# Altium PCB MB1019.PcbDoc (part 3 of 4)
Units mil, origin at the board's own origin, x right, y up, seen from the top; angles counter-clockwise.
Board outline 4655 x 6805 mil, 4 copper layers (TopLayer, VCC, GND, BottomLayer), stack 26.137 mil thick; 557 components, 425 nets, 1918 pads, 817 vias.
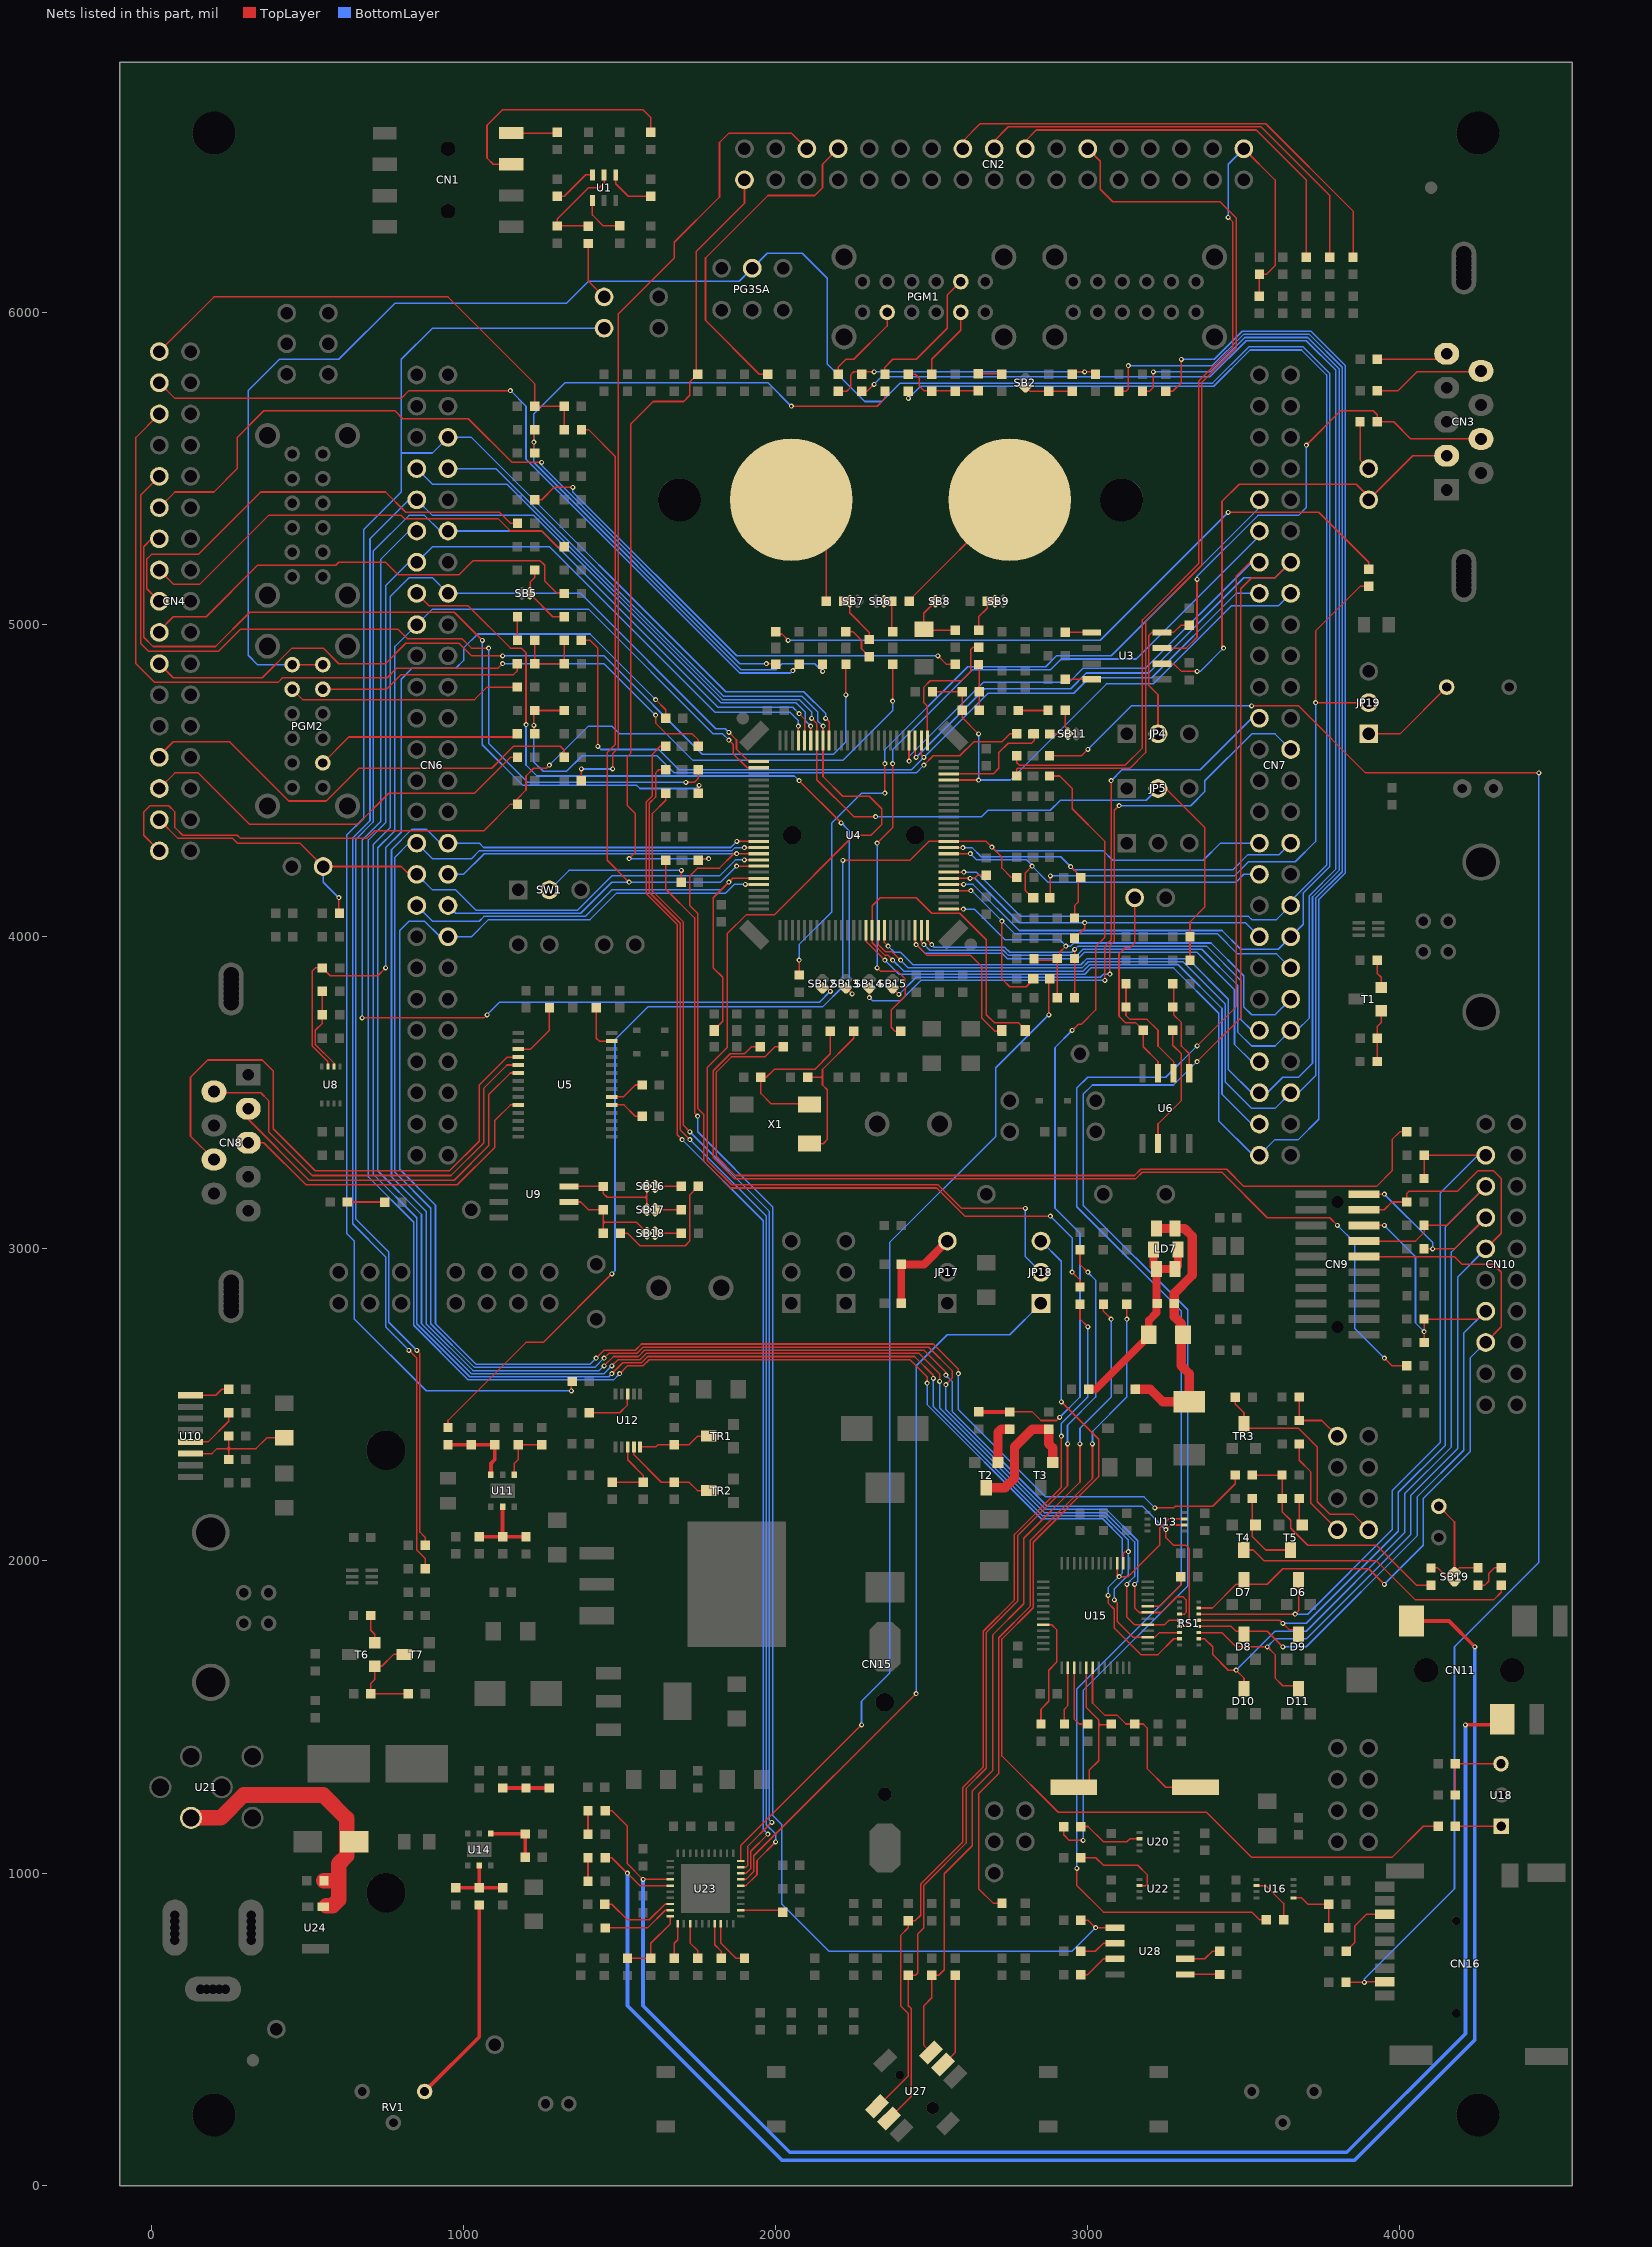
[diagram p5: the nets of this part, all layers, seen from the top]

## Via types
v1: diameter 16, hole 8, TopLayer to BottomLayer, tented both sides, 770 vias
v2: diameter 16, hole 8, TopLayer to BottomLayer, 26 vias
v3: diameter 25, hole 16, TopLayer to BottomLayer, tented both sides, 17 vias
v4: diameter 50, hole 28, TopLayer to BottomLayer, tented both sides, 4 vias

## Nets (pads, with @x,y where several pads share a name; then routed paths per layer and width w, separated by ;. In a path a pad name is that pad's centre, name@x,y a point inside that pad or via, vN(x,y) a via of type N, cw(c..) or ccw(c..) an arc to the next point about the centre after c; other vN are vias at no path point) (continued)
NetR31_1: CN2.11 R31.1 | length 2909.8
  TopLayer w5: R31.1@2772.5,4515 2772.5,4537.5 2775,4540 3135,4540 3185,4590 3185,5010 3365,5190 3365,5775.86 3475,5885.86 3475,6303.43 3423.43,6355 3080,6355 3040,6395 3040,6485 CN2.11@3000,6525
NetR33_1: C2.2 CN2.1 R33.1 R72.1 | length 3065.7
  TopLayer w5: R33.1@2772.5,4580 2772.5,4557.5 2780,4550 3120,4550 3175,4605 3175,5015 3355,5195 3355,5780 3465,5890 3465,6290 v1(3450,6305) ; CN2.1@3500,6525 3600,6425 3600,6150 3572.5,6122.5 C2.2@3550,6122.5 R72.1@3550,6052.5
  BottomLayer w5: v1(3450,6305) 3450,6475 CN2.1@3500,6525
NetR35_2: C134.1 R35.2 R128.1 R138.2 | length 1940.7
  TopLayer w5: R128.1@1225,4652.5 R138.2@1225,4722.5 ; R138.2@1227.5,4722.5 1227.5,4725 C134.1@1322.5,4725 ; v1(2475,4550) 2505,4580 2590,4580 2635,4625 2725,4625 2750,4650 R35.2@2773,4650
  BottomLayer w5: v1(1225,4677.5) 1225,4560 1255,4530 1330,4530 1380,4580 1620,4580 1675,4525 2450,4525 v1(2475,4550)
NetR36_2: R36.2 R137.1 SB11.2 | length 127.6
  TopLayer w5: R36.2@2877.5,4650 2925,4650 SB11.2@2932,4643 ; R137.1@2927.5,4725 2927.5,4672.5 SB11.2@2940,4660
NetR37_2: C21.1 R37.2 R131.1 | length 148.5
  TopLayer w5: R37.2@2650,4872.5 2652.5,4870 R131.1@2652.5,4725
NetR38_2: R38.2 R103.1 SB9.2 | length 103.9
  TopLayer w5: R38.2@2650,4982.5 2650,5025 2677.5,5052.5 R103.1@2677.5,5075
NetR39_1: R39.1 R96.1 | length 1607.9
  TopLayer w5: R96.1@1227.5,5400 1250,5400 1290,5440 v1(1350,5440) ; v1(2520,4900) 2547.5,4872.5 R39.1@2575,4872.5
  BottomLayer w5: v1(1350,5440) 1350,5425 1875,4900 v1(2520,4900)
NetR40_1: C52.2 R40.1 SB8.2 | length 246.1
  TopLayer w5: C52.2@2475,4985 2475,5036 SB8.2@2507,5068 ; 2475,5038 SB8.2@2512,5075 ; C52.2@2477.5,4982.5 R40.1@2575,4982.5
NetR41_1: C27.2 CN4.33 R41.1 | length 3076.8
  TopLayer w5: CN4.33@20,4280 CN4.33@25,4280 ; CN4.33@25,4275 -25,4325 -25,4400 -5,4420 55,4420 75,4400 75,4350 100,4325 275,4325 285,4315 690,4315 715,4340 1065,4340 1150,4425 C27.2@1172.5,4425 1172.5,4442.5 1200,4470 1200,4515 1225,4540 1265,4540 v1(1275,4550) ; v1(2375,4755) R41.1@2375,4872.5
  BottomLayer w5: v1(1275,4550) 1400,4675 1475,4675 1500,4650 1650,4650 1735,4565 2215,4565 2375,4725 v1(2375,4755)
NetR42_1: R42.1 R104.1 SB6.2 | length 119.5
  TopLayer w5: SB6.2@2348,5075 2372.5,5075 R42.1@2372.5,4980
NetR43_1: CN4.21 R43.1 | length 2716.7
  TopLayer w5: CN4.21@25,4875 70,4830 355,4830 450,4925 550,4925 600,4875 750,4875 815,4940 985,4940 1025,4900 v1(1125,4900) ; v1(2225,4775) R43.1@2225,4872.5
  BottomLayer w5: v1(1125,4900) 1450,4900 1765,4585 2185,4585 2225,4625 v1(2225,4775)
NetR44_1: R44.1 R122.2 | length 124.2
  TopLayer w5: R44.1@2225,4977.5 2247.5,4977.5 2275,4950 2275,4922.5 R122.2@2300,4897.5
NetR45_1: C133.1 R45.1 R90.2 R94.1 | length 2699.4
  TopLayer w5: C133.1@1225,5552.5 R90.2@1225,5622.5 ; R90.2@1227.5,5622.5 R90.2@1227.5,5625 ; v1(2050,5700) 2325,5700 2350,5725 R94.1@2350,5747.5 ; v1(2150,4850) R45.1@2150,4872.5
  BottomLayer w5: v1(2050,5700) 1975,5775 1325,5775 1225,5675 1225,5520 1890,4855 2000,4855 2020,4875 2125,4875 v1(2150,4850)
  other v1: 1225,5585
NetR47_1: CN4.3 R47.1 | length 2569.4
  TopLayer w5: CN4.3@25,5775 75,5725 800,5725 825,5750 v1(1150,5750) ; v1(2055,4852.5) 2075,4872.5 R47.1@2077.5,4872.5
  BottomLayer w5: v1(1150,5750) 1200,5700 1200,5530 1885,4845 2047.5,4845 v1(2055,4852.5)
NetR49_1: CN4.11 R49.1 | length 2510.9
  TopLayer w5: CN4.11@25,5375 75,5425 200,5425 275,5500 275,5600 360,5685 780,5685 805,5660 1015,5660 1155,5520 v1(1250,5520) ; v1(1970,4875) R49.1@1997.5,4875
  BottomLayer w5: CN4.11@25,5375 CN4.11@35,5375 ; v1(1250,5520) 1250,5510 1885,4875 v1(1970,4875)
NetR51_1: CN4.5 R51.1 | length 2819.4
  TopLayer w5: CN4.5@25,5675 -50,5600 -50,4875 10,4815 405,4815 420,4830 755,4830 785,4860 1110,4860 v1(1125,4875) ; v1(1615,4710) 1615,4685 1650,4650 1732.5,4650 1752.5,4630 R51.1@1752.5,4610
  BottomLayer w5: v1(1125,4875) 1450,4875 v1(1615,4710)
NetR53_1: CN4.9 R53.1 | length 2801
  TopLayer w5: CN4.9@25,5475 -35,5415 -35,4940 -10,4915 215,4915 285,4985 790,4985 820,4955 995,4955 1025,4925 v1(1080,4925) ; v1(1712.5,4495) 1740,4495 1752.5,4507.5 R53.1@1752.5,4535
  BottomLayer w5: v1(1080,4925) 1080,4620 1205,4495 v1(1712.5,4495)
NetR55_1: CN4.13 R55.1 | length 2648.8
  TopLayer w5: CN4.13@25,5275 0,5275 -25,5250 -25,4960 5,4930 205,4930 315,5040 970,5040 v1(1060,4950) ; R55.1@1752.5,4460 1752.5,4482.5 v1(1755,4485)
  BottomLayer w5: v1(1060,4950) 1060,4615 1190,4485 1555,4485 1565,4475 1745,4475 v1(1755,4485)
NetR57_1: C13.2 CN2.34 R57.1 | length 2693.6
  TopLayer w5: v1(1530,4250) 1550,4270 1550,4395 1525,4420 1525,4577.57 1536,4588.57 1536,5643.57 1607.43,5715 1705,5715 1725,5735 1725,5777.5 1745,5797.5 1745,6195 1900,6350 CN2.34@1900,6425 ; R57.1@1752.5,4250 v1(1785,4250)
  BottomLayer w5: v1(1530,4250) v1(1785,4250)
NetR59_2: CN1.1 R59.2 | length 150
  TopLayer w5: CN1.1@1152.5,6575 R59.2@1302.5,6575
NetR62_2: CN1.3 R62.2 | length 794.4
  TopLayer w5: CN1.3@1152.5,6475 1095,6475 1075,6495 1075,6600 1125,6650 1575,6650 1600,6625 R62.2@1600,6577.5
NetR63_2: R63.2 U1.6 | length 141.1
  TopLayer w5: R63.2@1300,6372.5 1322.5,6372.5 1391.34,6441.34 U1.6@1412.6,6441.34
NetR64_2: R64.2 U1.4 | length 157.9
  TopLayer w5: U1.4@1487.4,6441.34 1487.4,6412.6 1527.5,6372.5 R64.2@1600,6372.5
NetR66_1: R65.1 R66.1 U1.5 | length 345.9
  TopLayer w5: R66.1@1399,6276.5 1398,6277.5 1300,6277.5 1300,6300 1400,6400 1435,6400 1450,6415 U1.5@1450,6441.34
NetR66_2: JP1.2 R66.2 | length 192.6
  TopLayer w5: R66.2@1399,6221.5 1399,6101 JP1.2@1450,6050
NetR68_1: CN2.15 R68.1 | length 1253.3
  TopLayer w5: CN2.15@2800,6525 2800,6550 2835,6585 3540,6585 3700,6425 R68.1@3700,6177.5
NetR69_1: CN2.17 R69.1 | length 1407.3
  TopLayer w5: CN2.17@2700,6525 2700,6550 2745,6595 3555,6595 3775,6375 R69.1@3775,6177.5
NetR70_1: CN2.19 R70.1 | length 1561.3
  TopLayer w5: CN2.19@2600,6525 2600,6550 2655,6605 3570,6605 3850,6325 R70.1@3850,6177.5
NetR73_2: CN3.5 R73.2 | length 222.5
  TopLayer w5: R73.2@3927.5,5850 CN3.5@4150,5850
NetR79_1: C9.2 CN4.1 R78.1 R79.1 | length 1632.4
  TopLayer w5: CN4.1@25,5875 200,6050 950,6050 1227.5,5772.5 1227.5,5700 C9.2@1322.5,5700 R79.1@1322.5,5625
NetR81_1: CN2.27 R81.1 | length 1085.4
  TopLayer w5: R81.1@1975,5802.5 1947.5,5802.5 1775,5975 1775,6175 1975,6375 2125,6375 2150,6400 2150,6475 CN2.27@2200,6525
NetR83_2: C132.1 R75.2 R83.2 R95.1 | length 263.4
  TopLayer w5: R75.2@2425,5802.5 2447.5,5802.5 2460,5790 2460,5765 2475.5,5749.5 2649,5749.5 R83.2@2647,5747.5
NetR86_2: CN3.9 R86.2 | length 354.4
  TopLayer w5: R86.2@3927.5,5750 3995,5750 4055,5810 CN3.9@4257,5810
NetR87_2: JP3.1 R87.2 | length 161.4
  TopLayer w5: R87.2@3872.5,5650 3872.5,5527.5 JP3.1@3900,5500
NetR93_2: PGM1.2 R93.2 | length 277.9
  TopLayer w5: R93.2@2200,5802.5 2200,5825 2225,5850 2250,5850 2356.89,5956.89 PGM1.2@2356.89,6000.79
NetR94_2: PGM1.8 R94.2 | length 441.3
  TopLayer w5: R94.2@2350,5802.5 2350,5825 2375,5850 2450,5850 2550,5950 2550,6056.1 PGM1.8@2593.11,6099.21
NetR95_2: PGM1.5 R95.2 | length 239.4
  TopLayer w5: R95.2@2497.5,5802.5 2500,5802.5 2500,5850 2593.11,5943.11 PGM1.5@2593.11,6000.79
NetR97_1: CN4.17 R97.1 | length 1469.5
  TopLayer w5: CN4.17@25,5075 -15,5115 -15,5210 0,5225 150,5225 350,5425 750,5425 815,5360 1115,5360 1150,5325 R97.1@1172.5,5325
NetR98_2: C131.1 R74.2 R93.1 R98.2 | length 924.3
  TopLayer w5: R93.1@2200,5747.5 2227.5,5747.5 2240,5760 2240,5800 2250,5810 v1(2315,5810) ; R98.2@2945,5810 C131.1@3030,5810
  BottomLayer w5: v1(2315,5810) v1(2990,5810)
NetR99_1: CN4.15 R99.1 | length 1448.7
  TopLayer w5: CN4.15@25,5175 70,5130 155,5130 375,5350 800,5350 810,5340 1110,5340 1150,5300 1250,5300 1300,5250 R99.1@1322.5,5250
NetR101_1: CN4.19 R101.1 | length 1496.6
  TopLayer w5: CN4.19@25,4980 70,5025 175,5025 340,5190 590,5190 600,5200 750,5200 790,5160 985,5160 1030,5205 1245,5205 1260,5190 1260,5140 1300,5100 R101.1@1322.5,5100
NetR102_2: R102.2 TS1.1 | length 371.6
  TopLayer w5: TS1.1@2050,5400 2162.5,5287.5 R102.2@2162.5,5075
NetR104_2: R104.2 TS2.1 | length 458.6
  TopLayer w5: R104.2@2427.5,5075 2427.5,5077.5 TS2.1@2750,5400
NetR105_1: R105.1 U3.1 | length 85
  TopLayer w5: R105.1@2927.5,4975 U3.1@3012.5,4975
NetR106_1: JP4.2 R106.1 U3.8 | length 470.9
  TopLayer w5: JP4.2@3225,4650 3225,4775 3195,4805 3195,4965 3205,4975 3275,4975 3297.5,4997.5 R106.1@3325,4997.5
NetR107_2: C135.1 R107.2 R109.1 R110.2 | length 245
  TopLayer w5: R107.2@1227.5,4950 1227.5,4875 1322.5,4875 R110.2@1322.5,4950
NetR109_2: PGM2.5 R109.2 | length 670.4
  TopLayer w5: PGM2.5@549.21,4793.11 753.11,4793.11 800,4840 1160,4840 1172.5,4852.5 R109.2@1172.5,4875
NetR111_1: R111.1 R313.2 | length 2163.9
  TopLayer w5: R313.2@2725,902.5 2697.5,902.5 2650,950 2650,1254.29 2715,1319.29 2715,1754.14 2815,1854.14 2815,2064.29 3015,2264.29 v1(3015,2375) ; v1(3125,2775) R111.1@3125,2822.5
  BottomLayer w5: v1(3015,2375) 3015,2415 3125,2525 v1(3125,2775)
NetR113_1: R98.1 R113.1 SB2.2 | length 156
  TopLayer w5: SB2.2@2800,5762 2814.5,5747.5 R98.1@2950,5747.5
NetR116_1: R83.1 R116.1 | length 76.8
  TopLayer w5: R83.1@2649,5804.5 2723,5804.5 R116.1@2725,5802.5
NetR120_2: PGM2.8 R120.2 | length 752
  TopLayer w5: PGM2.8@450.79,4793.11 483.9,4760 1035,4760 1075,4800 R120.2@1172.5,4800
NetR122_1: R102.1 R122.1 SB7.2 | length 148.6
  TopLayer w5: SB7.2@2237,5075 2237,5038 2300,4975 R122.1@2300,4952.5
NetR124_2: R124.2 U3.4 | length 85
  TopLayer w5: R124.2@2927.5,4825 U3.4@3012.5,4825
NetR128_2: PGM2.2 R128.2 | length 655.2
  TopLayer w5: PGM2.2@549.21,4556.89 632.32,4640 R128.2@1170,4640
NetR129_1: R129.1 R186.1 U8.3 | length 2591.6
  TopLayer w5: U8.3@565.16,3584.06 565.16,3599.84 515,3650 515,3890 525,3900 547.5,3900 572.5,3875 725,3875 v1(750,3900) ; v1(1615,4760) 1647.62,4727.38 R129.1@1647.62,4699.84 ; R129.1@1647.5,4700 R129.1@1647.62,4700.12
  BottomLayer w5: v1(750,3900) 750,4285 800,4335 800,4825 835,4860 975,4860 1000,4885 1000,4925 1045,4970 1405,4970 v1(1615,4760)
NetR132_1: R107.1 R132.1 | length 75
  TopLayer w5: R107.1@1172.5,4950 R132.1@1172.5,5025
NetR134_1: R108.1 R134.1 SB5.2 | length 213.7
  TopLayer w5: SB5.2@1213,5100 1213,5135.5 1227.5,5150 R134.1@1227.5,5175 ; SB5.2@1218,5093 1286,5025 R108.1@1322.5,5025
NetR137_2: C24.2 R137.2 | length 95
  TopLayer w5: C24.2@2777.5,4725 R137.2@2872.5,4725
NetR139_1: R139.1 R140.1 U16.5 | length 196.9
  TopLayer w5: U16.5@3659.06,920.47 3685,920.47 3705.47,900 R140.1@3772.5,900 R139.1@3772.5,825
NetR145_1: CN4.29 R145.1 | length 1322.1
  TopLayer w5: CN4.29@27.5,4477.5 75,4525 150,4525 315,4360 660,4360 760,4460 1035,4460 1150,4575 R145.1@1172.5,4575
NetR147_1: CN4.27 R147.1 | length 1495
  TopLayer w5: CN4.27@25,4580 70,4625 250,4625 440,4435 560,4435 665,4540 1090,4540 1160,4610 1310,4610 1322.5,4597.5 R147.1@1322.5,4575
NetR148_1: CN2.29 R148.1 | length 2600
  TopLayer w5: R148.1@1377.5,4500 v1(1377.5,4537.5) ; v1(1477.5,4537.5) 1477.5,4587.5 1496,4606 1496,5996 1675,6175 1675,6225 1820,6370 1820,6545 1850,6575 2050,6575 CN2.29@2100,6525
  BottomLayer w5: v1(1377.5,4537.5) v1(1477.5,4537.5)
NetR159_1: JP19.2 R20.2 R159.1 | length 2042.1
  TopLayer w5: R20.2@2880,4127.5 v1(2880,4195) ; R159.1@3900,5122.5 3872.5,5122.5 3730,4980 v1(3730,4750) JP19.2@3905,4750
  BottomLayer w5: v1(2880,4195) 3470,4195 3515,4240 3665,4240 3730,4305 v1(3730,4750)
NetR159_2: R50.1 R159.2 | length 2166.9
  TopLayer w5: R50.1@2000,4970 2020,4970 v1(2040,4950) ; v1(3450,5360) 3740,5360 3900,5200 R159.2@3900,5177.5
  BottomLayer w5: v1(2040,4950) 3040,4950 v1(3450,5360)
NetR166_2: R166.2 SW1.2 | length 485.9
  TopLayer w5: R166.2@1697.5,4175 v1(1697.5,4212.5)
  BottomLayer w5: SW1.2@1275,4150 1337.5,4212.5 v1(1697.5,4212.5)
NetR177_1: R177.1 R189.1 U8.2 | length 275.1
  TopLayer w5: R177.1@547.5,3825 547.5,3722.5 525,3700 525,3655 584.84,3595.16 U8.2@584.84,3584.06
NetR185_1: R185.1 T1.1 | length 92.7
  TopLayer w5: R185.1@3927.5,3925 3927.5,3882.5 3940,3870 T1.1@3940,3837.5
NetR187_2: CN7.9 R187.2 | length 2426.4
  TopLayer w5: R187.2@2075,3877.5 v1(2075,3925) ; v1(2350,4460) v1(2350,4555)
  BottomLayer w5: v1(2075,3925) 2075,3975 2180,4080 2180,4365 2275,4460 v1(2350,4460) ; v1(2350,4555) 2350,4600 2615,4865 2865,4865 2900,4900 3075,4900 3550,5375 CN7.9@3550,5400
NetR196_1: C45.1 R196.1 X1.1 | length 554.5
  TopLayer w5: X1.1@2115,3465 1985,3465 1952.5,3497.5 C45.1@1952.5,3550 1970,3550 1995,3575 2125,3575 2175,3625 R196.1@2175,3697.5
NetR197_1: C50.1 R197.1 X1.4 | length 518.9
  TopLayer w5: C50.1@2102.5,3550 2150,3550 ; X1.4@2108.27,3337.01 2152.01,3337.01 2165,3350 2165,3510 2150,3525 2150,3575 2250,3675 R197.1@2250,3697.5 ; 2150,3545 2145,3550 2150,3555
NetR201_2: R201.2 U6.2 | length 405
  TopLayer w5: U6.2@3225,3337.5 3225,3400 3300,3475 3300,3625 3272.5,3652.5 R201.2@3272.5,3700
NetR202_2: R202.2 U5.20 | length 113.8
  TopLayer w5: U5.20@1474.61,3486.61 1511.61,3486.61 1550,3525 R202.2@1572.5,3525
NetR206_1: CN7.11 R206.1 | length 2507.8
  TopLayer w5: v1(2325,3900) 2335,3890 2390,3890 2415,3865 2415,3810 2370,3765 2370,3710 2382.5,3697.5 R206.1@2400,3697.5 ; v1(2325,4300) 2375,4350 v1(2375,4555)
  BottomLayer w5: v1(2325,3900) v1(2325,4300) ; v1(2375,4555) 2375,4600 2630,4855 2880,4855 2915,4890 3155,4890 3550,5285 CN7.11@3550,5300
NetR213_2: R213.2 R214.1 T1.2 | length 167.7
  TopLayer w5: R214.1@3927.5,3600 3927.5,3712.5 3940,3725 T1.2@3940,3762.5
NetR215_2: R215.2 U5.19 | length 112.8
  TopLayer w5: U5.19@1474.61,3461.02 1513.98,3461.02 1550,3425 R215.2@1572.5,3425
NetR216_2: R6.1 R216.2 | length 2917.7
  TopLayer w5: R6.1@2024,3647.5 1997.5,3647.5 1965,3615 1858.28,3615 1810,3566.72 1810,3296.57 1871.57,3235 3150,3235 3170,3255 3445,3255 3500,3200 3925,3200 3975,3250 3975,3350 4000,3375 R216.2@4022.5,3375
NetR219_1: C54.2 R219.1 SB18.2 U9.6 | length 355.6
  TopLayer w5: U9.6@1337.5,3150 1375,3150 1400,3125 1447.5,3125 C54.2@1447.5,3050 ; 1447.5,3080 1452.5,3085 1447.5,3090 ; 1447.5,3085 1554,3085 SB18.2@1582,3057
NetR220_1: R220.1 SB16.2 SB17.2 U9.7 | length 359.3
  TopLayer w5: U9.7@1337.5,3200 1447.5,3200 1447.5,3177.5 1460,3165 1587,3165 ; SB17.2@1587,3132 SB16.2@1587,3200 ; 1587,3160 1582,3165 1587,3170
NetR221_1: C54.1 R221.1 | length 431.7
  TopLayer w5: C54.1@1502.5,3050 1525,3050 1565,3010 1710,3010 1725,3025 1725,3172.5 R221.1@1752.5,3200
NetR221_2: R221.2 SB16.1 | length 82.8
  TopLayer w5: SB16.1@1618,3192 1626,3200 R221.2@1697.5,3200
NetR222_1: JP17.3 R222.1 R231.1 | length 303.6
  TopLayer w25: R231.1@2402.5,2825 2402.5,2950 2475,2950 JP17.3@2550,3025
NetR225_1: LD5.1 R225.1 | length 120
  TopLayer w5: LD5.1@627.5,3150 R225.1@747.5,3150
NetR226_1: R226.1 SB17.1 | length 77.5
  TopLayer w5: SB17.1@1620,3125 R226.1@1697.5,3125
NetR230_1: R230.1 SB18.1 | length 72.5
  TopLayer w5: SB18.1@1625,3050 R230.1@1697.5,3050
NetR238_2: C55.2 C56.1 LD7.1 LD7.2 LD7.3 LD7.4 R238.2 | length 681
  TopLayer w5: C56.1@3195,2720 C56.1@3195,2725
  TopLayer w25: R238.2@3002.5,2550 3025,2550 C56.1@3195,2720 ; C56.1@3195,2725 3195,2770 3220,2795 LD7.1@3220,2934.57 ; LD7.3@3210.63,2998.03 3210.63,2944.88 LD7.1@3220.47,2935.04 LD7.2@3279.53,2935.04 3289.37,2944.88 LD7.4@3289.37,2998.03
NetR242_2: R4.1 R242.2 | length 3136.8
  TopLayer w5: R4.1@1950,3647.5 1922.5,3647.5 1900,3625 1854.14,3625 1800,3570.86 1800,3292.43 1867.43,3225 3154.14,3225 3174.14,3245 3430,3245 3575,3100 3775,3100 v1(3800,3075) ; v1(3950,2650) 3975,2625 R242.2@4022.5,2625
  BottomLayer w5: v1(3800,3075) 3855,3020 3855,2745 v1(3950,2650)
NetR243_2: R243.2 U10.1 | length 130.4
  TopLayer w5: U10.1@125,2530.91 205.91,2530.91 225,2550 R243.2@247.5,2550
NetR246_1: C71.1 R246.1 U11.1 | length 176.5
  TopLayer w5: U11.1@1162.4,2276.18 1162.4,2312.4 1175,2325 C71.1@1175,2372.5 R246.1@1250,2372.5
NetR247_1: R247.1 U12.3 | length 168
  TopLayer w5: R247.1@1402.5,2475 1500,2475 1525,2500 1525,2533.69 U12.3@1526,2534.69
NetR248_2: C55.1 C56.2 LD7.5 LD7.6 R248.2 R261.2 | length 887.4
  TopLayer w30: R248.2@3152.5,2550 3200,2550 3240,2510 R261.2@3325,2510 3325,2600 3300,2625 3300,2760 3277.5,2782.5 3277.5,2857.5 3335,2915 3335,3040 3310.04,3064.96 LD7.5@3220.47,3064.96
NetR249_1: CN15.8 R249.1 TR3.3 | length 733.7
  TopLayer w5: R249.1@3472.5,2525 3472.5,2502.5 3500.5,2474.5 TR3.3@3500.5,2440 ; TR3.3@3500,2425 3675,2425 3735,2365 3735,2190 3775,2150 3850,2150 CN15.8@3900,2100
NetR250_2: CN15.1 R240.1 R250.2 | length 218.2
  TopLayer w5: R240.1@3677.5,2525 3677.5,2450 3750,2450 CN15.1@3800,2400
NetR252_2: C61.1 C62.1 R252.2 U10.6 | length 424.5
  TopLayer w5: U10.6@125,2343.9 193.9,2343.9 210,2360 335,2360 370,2395 C62.1@425,2395 ; C61.1@247.5,2325 R252.2@247.5,2400 ; 242.5,2360 247.5,2365 252.5,2360 247.5,2355 242.5,2360
NetR254_2: C58.1 R245.2 R254.2 U11.3 | length 251.5
  TopLayer w12: R245.2@950,2372.5 C58.1@1100,2372.5 1100,2325 1087.6,2312.6 U11.3@1087.6,2276.18
NetR257_1: R32.1 R256.2 R257.1 | length 2555.3
  TopLayer w5: R257.1@2750,2477.5 2822.5,2477.5 2850,2450 2900,2450 v1(2910,2460) ; R32.1@2877.5,4515 2910,4515 2950,4475 2950,4410 3055,4305 3055,3998.43 3025,3968.43 3025,3765 2980,3720 2970,3720 v1(2950,3700)
  TopLayer w12: R256.2@2650,2477.5 R257.1@2750,2477.5
  BottomLayer w5: v1(2910,2460) 2975,2525 2975,3050 2895,3130 2895,3645 v1(2950,3700)
NetR257_2: R257.2 T2.2 | length 139.1
  TopLayer w30: T2.2@2712.5,2315 2712.5,2412.5 2722.5,2422.5 R257.2@2750,2422.5
NetR258_2: R258.2 T2.3 T3.2 | length 449.4
  TopLayer w30: T2.3@2674.5,2235 2735,2235 2765,2265 2765,2365 2822.5,2422.5 2875,2422.5 2875,2375 2887.5,2362.5 T3.2@2887.5,2315
NetR262_1: R262.1 R264.2 R275.1 R280.2 | length 802
  TopLayer w5: R262.1@3527.5,2275 3622.5,2275 3622.5,2157.5 3650,2130 3650,2105 3705,2050 3925,2050 4052.5,1922.5 R280.2@4100,1922.5
NetR263_2: CN15.7 R263.2 | length 325.7
  TopLayer w5: R263.2@3677.5,2375 3677.5,2322.5 3715,2285 3715,2185 CN15.7@3800,2100
NetR267_1: C70.1 R267.1 R278.2 U11.5 | length 246.3
  TopLayer w12: R278.2@1050,2077.5 R267.1@1200,2077.5 ; C70.1@1125,2077.5 U11.5@1125,2173.82
NetR275_2: R275.2 T5.2 | length 87.5
  TopLayer w5: T5.2@3677.5,2112.5 R275.2@3677.5,2200
NetR277_1: C73.1 R277.1 U14.1 | length 185.6
  TopLayer w12: U14.1@1087.4,1126.18 1196.32,1126.18 1197.5,1125 C73.1@1197.5,1050
NetR280_1: R280.1 SB19.1 | length 85.8
  TopLayer w5: R280.1@4100,1977.5 4121.5,1977.5 SB19.1@4167,1932
NetR281_2: LD9.2 R281.2 SB19.2 | length 305.2
  TopLayer w5: LD9.2@4125,2175 4175,2125 SB19.2@4175,1963 ; SB19.2@4181,1969 4189.5,1977.5 R281.2@4250,1977.5
NetR282_1: R282.1 T4.3 | length 924.6
  TopLayer w5: T4.3@3499.5,2035 3530,2035 3565,2000 3925,2000 4050,1875 4300,1875 4325,1900 R282.1@4325,1922.5
NetR282_2: R281.1 R282.2 | length 112.4
  TopLayer w5: R281.1@4250,1922.5 4272.5,1922.5 4285,1935 4285,1960 4302.5,1977.5 R282.2@4325,1977.5
NetR283_2: R283.2 R284.1 T6.2 T7.3 | length 323.4
  TopLayer w5: T7.3@810,1700.5 775.5,1700.5 737.5,1662.5 T6.2@715,1662.5 715,1620 702.5,1607.5 702.5,1575 R284.1@822.5,1575
NetR285_1: C77.1 R285.1 R286.2 U14.5 | length 222.3
  TopLayer w5: R285.1@1050,951.5 R285.1@1050,952.5
  TopLayer w12: C77.1@975,952.5 R286.2@1125,952.5 ; R285.1@1050,952.5 U14.5@1050,1023.82
NetR290_2: L3.1 R290.2 R293.2 | length 150
  TopLayer w12: L3.1@1125,1272.5 R293.2@1275,1272.5
NetR291_2: R291.2 U15.2 | length 184.9
  TopLayer w5: R291.2@2925,1477.5 2925,1525 2936.42,1536.42 U15.2@2936.42,1657.68
NetR295_2: R295.2 U15.3 | length 214.5
  TopLayer w5: U15.3@2956.1,1657.68 2956.1,1493.9 2972.5,1477.5 R295.2@3000,1477.5
NetR300_1: JP18.3 R300.1 | length 3428.6
  TopLayer w5: v1(2915,2510) 3035,2390 3035,2270.15 2825,2060.15 2825,1850 2725,1750 2725,1375 2905,1195 3380,1195 3525,1050 3975,1050 4075,1150 R300.1@4122.5,1150
  BottomLayer w5: JP18.3@2850,3025 2915,2960 v1(2915,2510)
NetR300_2: R300.2 U18.1 | length 140